# Altium PCB UmTRXv2.PcbDoc (part 12 of 25)
Units mm, origin at the board's own origin, x right, y up, seen from the top; angles counter-clockwise.
Board outline 159.5 x 99.5 mm, 6 copper layers (Top Layer, GND, MidLayer1, Mid-Layer 2, InternalPlane2, Bottom Layer), stack 1.526 mm thick; 708 components, 578 nets, 2802 pads, 1408 vias.
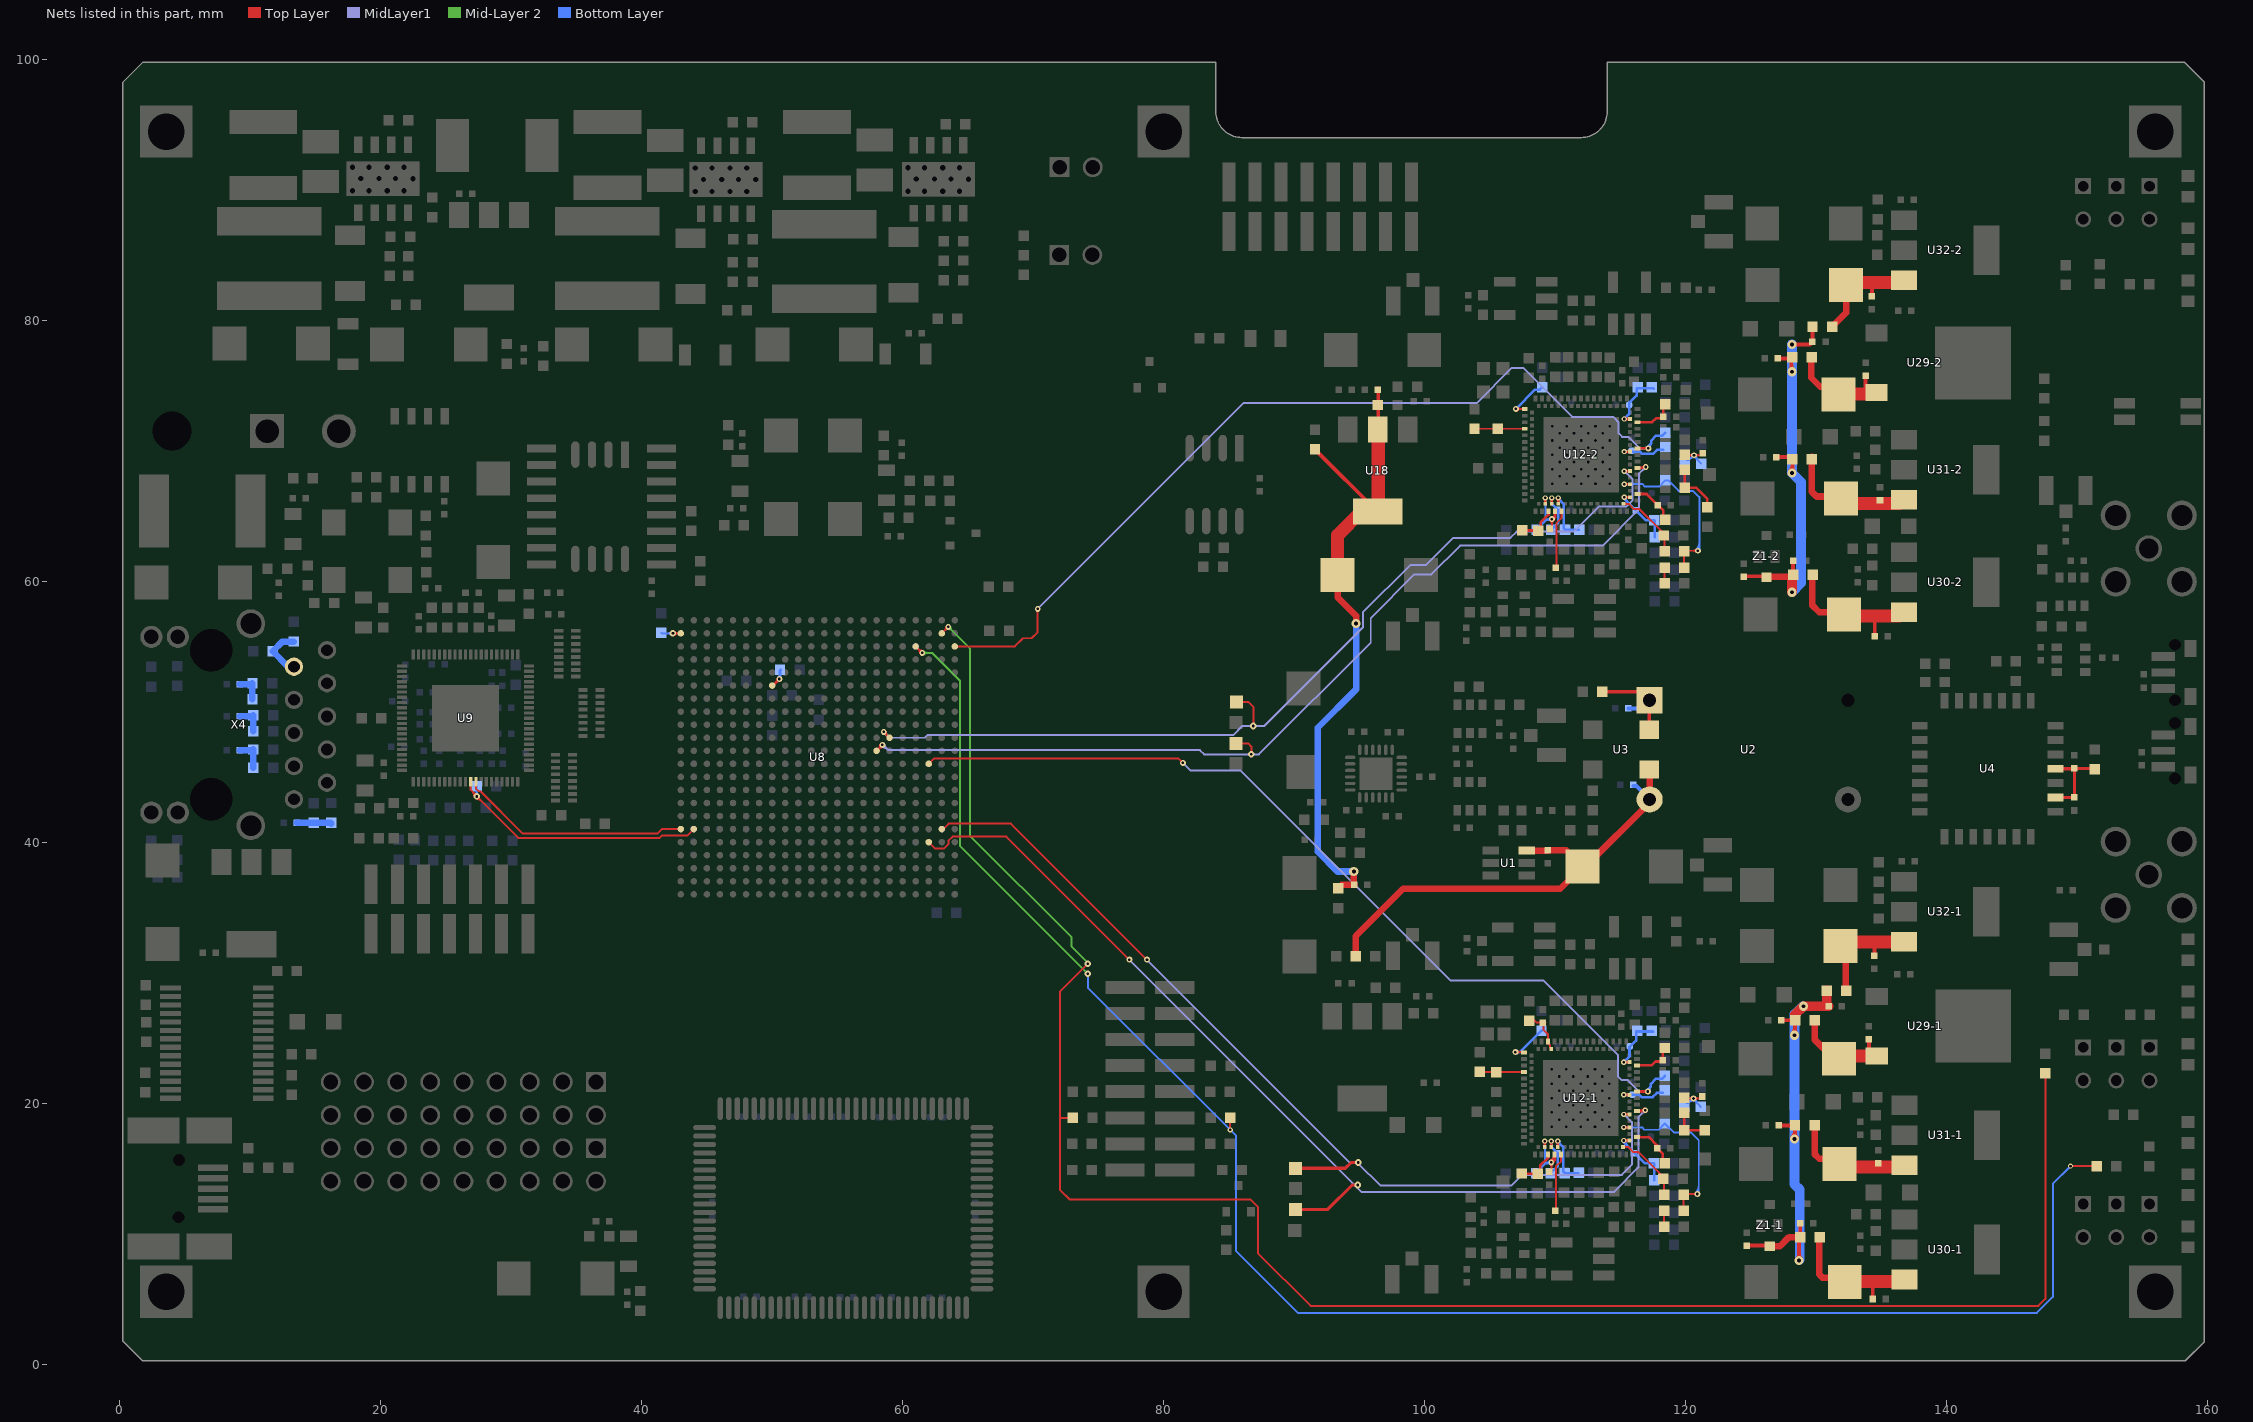
[diagram p16: the nets of this part, all layers, seen from the top]

## Via types
v1: diameter 0.5, hole 0.2, Top Layer to Bottom Layer, tented both sides, 441 vias
v2: diameter 0.45, hole 0.2, Top Layer to Bottom Layer, tented both sides, 429 vias
v3: diameter 0.7, hole 0.3, Top Layer to Bottom Layer, tented both sides, 258 vias
v4: diameter 0.4, hole 0.2, Top Layer to Bottom Layer, tented both sides, 197 vias
v5: diameter 0.8, hole 0.3, Top Layer to Bottom Layer, tented both sides, 61 vias
v6: diameter 0.6, hole 0.25, Top Layer to Bottom Layer, tented both sides, 16 vias
v7: diameter 0.6, hole 0.3, Top Layer to Bottom Layer, tented both sides, 4 vias
v8: diameter 1, hole 0.5, Top Layer to Bottom Layer, tented both sides, 2 vias

## Nets (pads, with @x,y where several pads share a name; then routed paths per layer and width w, separated by ;. In a path a pad name is that pad's centre, name@x,y a point inside that pad or via, vN(x,y) a via of type N, cw(c..) or ccw(c..) an arc to the next point about the centre after c; other vN are vias at no path point) (continued)
LEDS4: R37.2 R85.2 U8.Y4 | length 141.1
  Top Layer w0.15: U8.Y4@61,55 v2(61.5,54.5) ; 61.299,54.689 ccw(c61.553,54.757) v2(61.5,54.5) ; 61.311,54.701 cw(c61.243,54.447) v2(61.5,54.5) ; v2@61.325,54.5 ccw(c60.903,54.5) 61.201,54.799 ccw(c61.5,55.097) v2@61.5,54.675 ; v4(85.1,17.95) R85.2@85.1,18.875 ; v4(149.5,15.175) R37.2@151.5,15.175 ; 61.244,54.756 cw(c60.988,54.5) 61.35,54.5 ccw(c60.988,54.5) 61.244,54.756 ; 61.244,54.756 ccw(c61.5,55.012) 61.5,54.65 cw(c61.5,55.012) 61.244,54.756 ; v2(61.5,54.5) ccw(c61.17,54.409) 61.259,54.74 cw(c61.17,54.409) v2(61.5,54.5) ; v2(61.5,54.5) cw(c61.591,54.83) 61.26,54.741 ccw(c61.591,54.83) v2(61.5,54.5)
  Mid-Layer 2 w0.15: v2(61.5,54.5) 62.25,54.5 64.4,52.35 64.4,39.7 v1(74.2,29.9) ; v2@61.624,54.376 cw(c61.922,54.078) 61.922,54.5 cw(c61.922,54.922) v2@61.624,54.624 ; 61.862,54.5 cw(c61.862,54.862) 61.606,54.606 ccw(c61.862,54.862) 61.862,54.5 ; 61.862,54.5 ccw(c61.862,54.138) 61.606,54.394 cw(c61.862,54.138) 61.862,54.5
  Bottom Layer w0.15: v1(74.2,29.9) 74.2,28.85 v4(85.1,17.95) 85.55,17.5 85.55,8.655 90.28,3.925 146.93,3.925 148.15,5.145 148.15,13.825 v4(149.5,15.175)
LEDS5: R38.2 R86.2 U8.AA2 | length 156
  Top Layer w0.15: U8.AA2@63,56 63.4,56.4 63.4,56.45 63.45,56.5 v2(63.5,56.5) ; 63.299,56.311 cw(c63.553,56.243) v2(63.5,56.5) ; 63.311,56.299 ccw(c63.243,56.553) v2(63.5,56.5) ; v2@63.325,56.5 cw(c62.903,56.5) 63.201,56.201 cw(c63.5,55.903) v2@63.5,56.325 ; R86.2@73.05,18.875 72.05,18.875 ; v1(74.2,30.675) 72.05,28.525 72.05,18.875 ; R38.2@147.575,22.275 147.575,5 147.039,4.464 91.261,4.464 87.225,8.5 87.225,12.047 86.672,12.6 72.825,12.6 72.05,13.375 72.05,18.875 ; 63.244,56.244 cw(c63.5,55.988) 63.5,56.35 ccw(c63.5,55.988) 63.244,56.244 ; 63.244,56.244 ccw(c62.988,56.5) 63.35,56.5 cw(c62.988,56.5) 63.244,56.244 ; v2(63.5,56.5) ccw(c63.591,56.17) 63.26,56.259 cw(c63.591,56.17) v2(63.5,56.5) ; v2(63.5,56.5) cw(c63.17,56.591) 63.259,56.26 ccw(c63.17,56.591) v2(63.5,56.5)
  Mid-Layer 2 w0.15: v2@63.5,56.325 cw(c63.5,55.903) 63.799,56.201 cw(c64.097,56.5) v2@63.675,56.5 ; v1(74.2,30.675) 74.2,30.75 72.95,32 72.95,32.7 65.15,40.5 65.15,54.85 v2(63.5,56.5) ; v2(63.5,56.5) ccw(c63.83,56.591) 63.741,56.26 cw(c63.83,56.591) v2(63.5,56.5) ; v2(63.5,56.5) cw(c63.409,56.17) 63.74,56.259 ccw(c63.409,56.17) v2(63.5,56.5) ; 63.756,56.244 cw(c64.012,56.5) 63.65,56.5 ccw(c64.012,56.5) 63.756,56.244 ; 63.756,56.244 ccw(c63.5,55.988) 63.5,56.35 cw(c63.5,55.988) 63.756,56.244
LMS1_NRST: R95-1.1 U8.L3 U12-1.75 | length 74
  Top Layer w0.15: U8.L3@62,46 62.425,46.425 81.125,46.425 v2(81.475,46.075)
  Top Layer w0.2: U12-1.75@116.282,20.888 v2(117.107,20.888) ; 116.805,20.888 cw(c116.805,20.586) v2@117.019,20.8 ; 116.805,20.888 ccw(c116.805,21.19) v2@117.019,20.976 ; 116.805,20.888 ccw(c116.805,21.19) v2@117.019,20.976 ; 116.805,20.888 cw(c116.805,20.586) v2@117.019,20.8 ; 116.805,20.888 ccw(c116.805,21.19) v2@117.019,20.976 ; 116.805,20.888 cw(c116.805,20.586) v2@117.019,20.8
  MidLayer1 w0.15: v2(81.475,46.075) 82.075,45.475 85.9,45.475 101.975,29.4 109.1,29.4 114.832,23.668 114.832,22.033 115.102,21.763 115.582,21.763 116.457,20.888 v2(117.107,20.888) ; 116.745,20.888 cw(c116.745,20.526) v2@117.001,20.782 ; 116.745,20.888 ccw(c116.745,21.25) v2@117.001,20.994 ; 116.745,20.888 ccw(c116.745,21.25) v2@117.001,20.994 ; 116.745,20.888 cw(c116.745,20.526) v2@117.001,20.782 ; 116.745,20.888 ccw(c116.745,21.25) v2@117.001,20.994 ; 116.745,20.888 cw(c116.745,20.526) v2@117.001,20.782
  Bottom Layer w0.2: v2(117.107,20.888) 117.107,21.053 117.336,21.282 ; R95-1.1@118.407,22.088 118.177,21.858 117.711,21.858 117.336,21.483 117.336,21.282 ; v2@117.229,20.915 cw(c117.617,21.001) 117.336,21.282 ; v2@117.229,20.915 cw(c117.617,21.001) 117.336,21.282 ; v2@117.229,20.915 cw(c117.617,21.001) 117.336,21.282
LMS2_NRST: R95-2.1 U8.Y1 U12-2.75 | length 73.2
  Top Layer w0.15: U8.Y1@64,55 68.6,55 69.225,55.625 69.875,55.625 70.35,56.1 v2(70.35,57.875)
  Top Layer w0.2: U12-2.75@116.321,70.18 v2(117.146,70.18) ; 116.844,70.18 cw(c116.844,69.878) v2@117.058,70.091 ; 116.844,70.18 ccw(c116.844,70.482) v2@117.058,70.268 ; 116.844,70.18 ccw(c116.844,70.482) v2@117.058,70.268 ; 116.844,70.18 cw(c116.844,69.878) v2@117.058,70.091 ; 116.844,70.18 ccw(c116.844,70.482) v2@117.058,70.268 ; 116.844,70.18 cw(c116.844,69.878) v2@117.058,70.091
  MidLayer1 w0.15: v2(70.35,57.875) 86.117,73.642 103.987,73.642 106.695,76.35 107.55,76.35 111.313,72.587 114.443,72.587 114.871,72.159 114.871,71.325 115.141,71.055 115.621,71.055 116.496,70.18 v2(117.146,70.18) ; 116.784,70.18 cw(c116.784,69.818) v2@117.04,70.074 ; 116.784,70.18 ccw(c116.784,70.542) v2@117.04,70.286 ; 116.784,70.18 ccw(c116.784,70.542) v2@117.04,70.286 ; 116.784,70.18 cw(c116.784,69.818) v2@117.04,70.074 ; 116.784,70.18 ccw(c116.784,70.542) v2@117.04,70.286 ; 116.784,70.18 cw(c116.784,69.818) v2@117.04,70.074
  Bottom Layer w0.2: v2(117.146,70.18) 117.146,70.345 117.375,70.574 ; R95-2.1@118.446,71.38 118.216,71.15 117.75,71.15 117.375,70.775 117.375,70.574 ; v2@117.268,70.207 cw(c117.656,70.293) 117.375,70.574 ; v2@117.268,70.207 cw(c117.656,70.293) 117.375,70.574 ; v2@117.268,70.207 cw(c117.656,70.293) 117.375,70.574
M0: R31.1 U8.AA22 | length 5.5
  Top Layer w0.15: v1(42.4,56) U8.AA22@43,56 ; v1@42.524,55.876 cw(c42.822,55.578) U8.AA22@42.822,56 ; v1@42.524,55.876 cw(c42.822,55.578) U8.AA22@42.822,56 ; v1@42.524,55.876 cw(c42.822,55.578) U8.AA22@42.822,56 ; v1@42.524,56.124 ccw(c42.822,56.422) U8.AA22@42.822,56 ; v1@42.524,56.124 ccw(c42.822,56.422) U8.AA22@42.822,56 ; v1@42.524,56.124 ccw(c42.822,56.422) U8.AA22@42.822,56
  Bottom Layer w0.15: R31.1@41.5,56.05 41.55,56 v1(42.4,56) ; 41.978,56 cw(c41.978,55.578) v1@42.276,55.876 ; 41.978,56 ccw(c41.978,56.422) v1@42.276,56.124 ; 41.978,56 ccw(c41.978,56.422) v1@42.276,56.124 ; 41.978,56 cw(c41.978,55.578) v1@42.276,55.876 ; 41.978,56 ccw(c41.978,56.422) v1@42.276,56.124 ; 41.978,56 cw(c41.978,55.578) v1@42.276,55.876
M1: R32.1 U8.U15 | length 4.1
  Top Layer w0.2: U8.U15@50,52 50.05,52 v2(50.55,52.5) ; 50.337,52.287 cw(c50.55,52.073) v2@50.55,52.375 ; 50.337,52.287 ccw(c50.123,52.5) v2@50.425,52.5 ; 50.337,52.287 ccw(c50.123,52.5) v2@50.425,52.5 ; 50.337,52.287 cw(c50.55,52.073) v2@50.55,52.375 ; 50.337,52.287 ccw(c50.123,52.5) v2@50.425,52.5 ; 50.337,52.287 cw(c50.55,52.073) v2@50.55,52.375
  Bottom Layer w0.2: v2(50.55,52.5) 50.6,52.5 50.6,53.15 R32.1@50.65,53.2 ; v2@50.462,52.588 ccw(c50.128,52.922) R32.1@50.6,52.922 ; v2@50.462,52.588 ccw(c50.128,52.922) R32.1@50.6,52.922 ; v2@50.462,52.588 ccw(c50.128,52.922) R32.1@50.6,52.922
MDC: U8.F22 U9.55 | length 17.8
  Top Layer w0.15: U9.55@27.3,44.625 27.3,44.1 27.5,43.9 27.65,43.9 30.9,40.65 41.2,40.65 41.55,41 U8.F22@43,41
MDIO: R92.2 U8.F21 U9.54 | length 29.8
  Top Layer w0.15: U9.54@26.9,44.625 26.9,44 27.55,43.35 v1@27.5,43.35 ; v1@27.45,43.4 v1@27.5,43.35 ; U8.F21@44,41 43.5,40.5 41.55,40.5 41.375,40.325 30.525,40.325 v1@27.5,43.35 ; 27.016,43.884 cw(c26.632,43.5) v1@27.175,43.5 ; 27.016,43.884 cw(c26.632,43.5) v1@27.175,43.5 ; 27.016,43.884 cw(c26.632,43.5) v1@27.175,43.5 ; 27.096,43.794 ccw(c27.469,43.894) v1@27.357,43.524 ; 27.096,43.794 ccw(c27.469,43.894) v1@27.357,43.524 ; 27.096,43.794 ccw(c27.469,43.894) v1@27.357,43.524 ; 27.137,43.763 ccw(c27.35,43.977) v1@27.35,43.675 ; 27.137,43.763 ccw(c27.35,43.977) v1@27.35,43.675 ; 27.137,43.763 ccw(c27.35,43.977) v1@27.35,43.675 ; v1@27.345,43.476 cw(c27.28,43.156) 27.595,43.24 ; v1@27.345,43.476 cw(c27.28,43.156) 27.595,43.24 ; v1@27.345,43.476 cw(c27.28,43.156) 27.595,43.24 ; v1@27.35,43.325 cw(c27.35,42.903) 27.649,43.201 ; v1@27.35,43.325 cw(c27.35,42.903) 27.649,43.201 ; v1@27.35,43.325 cw(c27.35,42.903) 27.649,43.201 ; v1@27.374,43.505 ccw(c27.694,43.57) 27.61,43.255 ; v1@27.374,43.505 ccw(c27.694,43.57) 27.61,43.255 ; v1@27.374,43.505 ccw(c27.694,43.57) 27.61,43.255 ; v1@27.525,43.5 ccw(c27.947,43.5) 27.649,43.201 ; v1@27.525,43.5 ccw(c27.947,43.5) 27.649,43.201 ; v1@27.525,43.5 ccw(c27.947,43.5) 27.649,43.201
  Bottom Layer w0.15: v1(27.35,43.5) R92.2@27.35,44.287 ; v1@27.226,43.624 ccw(c26.928,43.922) R92.2@27.35,43.922 ; v1@27.226,43.624 ccw(c26.928,43.922) R92.2@27.35,43.922 ; v1@27.226,43.624 ccw(c26.928,43.922) R92.2@27.35,43.922 ; R92.2@27.35,43.922 ccw(c27.772,43.922) v1@27.474,43.624 ; R92.2@27.35,43.922 ccw(c27.772,43.922) v1@27.474,43.624 ; R92.2@27.35,43.922 ccw(c27.772,43.922) v1@27.474,43.624
MISO1: TST12.1 U8.F2 U12-1.68 | length 77.3
  Top Layer w0.15: U8.F2@63,41 63.1,41 63.525,41.425 68.3,41.425 v2(78.725,31)
  Top Layer w0.2: v4@115.282,19.138 U12-1.68@115.707,19.138 ; v4@115.328,19.067 cw(c115.498,18.897) 115.498,19.138 ; v4@115.328,19.067 cw(c115.498,18.897) 115.498,19.138 ; v4@115.328,19.067 cw(c115.498,18.897) 115.498,19.138 ; v4@115.328,19.209 ccw(c115.498,19.379) 115.498,19.138 ; v4@115.328,19.209 ccw(c115.498,19.379) 115.498,19.138 ; v4@115.328,19.209 ccw(c115.498,19.379) 115.498,19.138
  Top Layer w0.25: TST12.1@90.1,15 93.925,15 94.375,15.45 v1(94.925,15.45)
  MidLayer1 w0.15: v2(78.725,31) 94.316,15.409 94.884,15.409 96.625,13.675 106.655,13.675 107.488,14.508 115.112,14.508 115.882,15.278 115.882,18.543 115.287,19.138 v4(115.257,19.138) ; v4@115.257,19.013 cw(c115.257,18.638) 115.522,18.903 ; v4@115.257,19.013 cw(c115.257,18.638) 115.522,18.903 ; v4@115.257,19.013 cw(c115.257,18.638) 115.522,18.903 ; v4@115.382,19.138 ccw(c115.611,19.138) 115.449,18.976 ; v4@115.382,19.138 ccw(c115.611,19.138) 115.449,18.976 ; v4@115.382,19.138 ccw(c115.611,19.138) 115.449,18.976
MISO2: TST16.1 U8.N6 U12-2.68 | length 81.8
  Top Layer w0.15: v2@58.55,48.275 cw(c58.55,47.853) 58.849,48.151 cw(c59.147,48.45) v2@58.725,48.45 ; 58.739,48.249 cw(c58.807,48.503) v2(58.55,48.45) ; 58.751,48.261 ccw(c58.497,48.193) v2(58.55,48.45) ; U8.N6@59,48 v2(58.55,48.45) ; TST16.1@85.6,50.725 86.525,50.725 86.875,50.375 v1(86.875,48.9) ; v2(58.55,48.45) ccw(c58.88,48.541) 58.791,48.21 cw(c58.88,48.541) v2(58.55,48.45) ; v2(58.55,48.45) cw(c58.459,48.12) 58.79,48.209 ccw(c58.459,48.12) v2(58.55,48.45) ; 58.806,48.194 cw(c59.062,48.45) 58.7,48.45 ccw(c59.062,48.45) 58.806,48.194 ; 58.806,48.194 ccw(c58.55,47.938) 58.55,48.3 cw(c58.55,47.938) 58.806,48.194
  Top Layer w0.2: v4@115.321,68.43 U12-2.68@115.746,68.43 ; v4@115.367,68.359 cw(c115.537,68.188) 115.537,68.43 ; v4@115.367,68.359 cw(c115.537,68.188) 115.537,68.43 ; v4@115.367,68.359 cw(c115.537,68.188) 115.537,68.43 ; v4@115.367,68.501 ccw(c115.537,68.671) 115.537,68.43 ; v4@115.367,68.501 ccw(c115.537,68.671) 115.537,68.43 ; v4@115.367,68.501 ccw(c115.537,68.671) 115.537,68.43
  MidLayer1 w0.15: v2@58.55,48.275 cw(c58.55,47.853) 58.849,48.151 cw(c59.147,48.45) v2@58.725,48.45 ; v4(115.296,68.43) 115.326,68.43 115.921,67.835 115.921,66.171 115.467,65.717 113.342,65.717 111.423,63.798 107.821,63.798 107.819,63.8 107.281,63.8 107.279,63.798 107.048,63.798 106.575,63.325 102.2,63.325 100.1,61.225 98.9,61.225 95.275,57.6 95.275,56.45 87.725,48.9 v1(86.875,48.9) 86.025,48.9 85.325,48.2 61.886,48.2 61.686,48 59,48 v2(58.55,48.45) ; v2(58.55,48.45) ccw(c58.88,48.541) 58.791,48.21 cw(c58.88,48.541) v2(58.55,48.45) ; v2(58.55,48.45) cw(c58.459,48.12) 58.79,48.209 ccw(c58.459,48.12) v2(58.55,48.45) ; 58.806,48.194 cw(c59.062,48.45) 58.7,48.45 ccw(c59.062,48.45) 58.806,48.194 ; 58.806,48.194 ccw(c58.55,47.938) 58.55,48.3 cw(c58.55,47.938) 58.806,48.194 ; v4@115.296,68.305 cw(c115.296,67.93) 115.561,68.195 ; v4@115.296,68.305 cw(c115.296,67.93) 115.561,68.195 ; v4@115.296,68.305 cw(c115.296,67.93) 115.561,68.195 ; v4@115.421,68.43 ccw(c115.65,68.43) 115.488,68.268 ; v4@115.421,68.43 ccw(c115.65,68.43) 115.488,68.268 ; v4@115.421,68.43 ccw(c115.65,68.43) 115.488,68.268
MOSI1: TST11.1 U8.E3 U12-1.69 | length 81.1
  Top Layer w0.15: U8.E3@62,40 62.5,39.5 63.15,39.5 63.5,39.85 63.5,40.101 63.824,40.425 67.95,40.425 v2(77.375,31)
  Top Layer w0.2: U12-1.69@116.282,19.388 116.931,19.388 116.961,19.358 116.961,19.408 v2(116.911,19.458) ; U12-1.69@116.44,19.388 ccw(c116.44,19.929) v2@116.823,19.547 ; U12-1.69@116.44,19.388 ccw(c116.44,19.929) v2@116.823,19.547 ; U12-1.69@116.44,19.388 ccw(c116.44,19.929) v2@116.823,19.547
  Top Layer w0.25: TST11.1@90.1,11.85 92.575,11.85 94.45,13.725 v1(94.875,13.725)
  MidLayer1 w0.15: v2(77.375,31) 95.2,13.175 114.486,13.175 116.384,15.074 116.384,18.932 v2(116.911,19.458) ; 116.655,19.202 cw(c116.911,18.946) v2@116.911,19.308 ; 116.655,19.202 ccw(c116.399,19.458) v2@116.761,19.458 ; 116.655,19.202 ccw(c116.399,19.458) v2@116.761,19.458 ; 116.655,19.202 cw(c116.911,18.946) v2@116.911,19.308 ; 116.655,19.202 ccw(c116.399,19.458) v2@116.761,19.458 ; 116.655,19.202 cw(c116.911,18.946) v2@116.911,19.308
MOSI2: TST15.1 U8.M7 U12-2.69 | length 83.6
  Top Layer w0.15: U8.M7@58,47 v2(58.45,47.45) ; 58.249,47.261 cw(c58.503,47.193) v2(58.45,47.45) ; 58.261,47.249 ccw(c58.193,47.503) v2(58.45,47.45) ; v2@58.275,47.45 cw(c57.853,47.45) 58.151,47.151 cw(c58.45,46.853) v2@58.45,47.275 ; TST15.1@85.55,47.575 86.475,47.575 86.725,47.325 v1(86.725,46.725) ; 58.194,47.194 cw(c58.45,46.938) 58.45,47.3 ccw(c58.45,46.938) 58.194,47.194 ; 58.194,47.194 ccw(c57.938,47.45) 58.3,47.45 cw(c57.938,47.45) 58.194,47.194 ; v2(58.45,47.45) ccw(c58.541,47.12) 58.21,47.209 cw(c58.541,47.12) v2(58.45,47.45) ; v2(58.45,47.45) cw(c58.12,47.541) 58.209,47.21 ccw(c58.12,47.541) v2(58.45,47.45)
  Top Layer w0.2: U12-2.69@116.321,68.68 116.97,68.68 117,68.65 117,68.7 v2(116.95,68.75) ; U12-2.69@116.479,68.68 ccw(c116.479,69.221) v2@116.862,68.838 ; U12-2.69@116.479,68.68 ccw(c116.479,69.221) v2@116.862,68.838 ; U12-2.69@116.479,68.68 ccw(c116.479,69.221) v2@116.862,68.838
  MidLayer1 w0.15: v2@58.45,47.275 cw(c58.45,46.721) 58.842,47.113 ; v2@58.625,47.45 ccw(c58.916,47.45) 58.71,47.244 ; 58.671,47.241 cw(c58.754,47.55) v2(58.45,47.45) ; v2(116.95,68.75) 116.423,68.223 116.423,65.51 113.638,62.725 102.725,62.725 100.525,60.525 99.225,60.525 95.875,57.175 95.875,55.296 87.304,46.725 v1(86.725,46.725) 83.1,46.725 82.775,47.05 58.905,47.05 58.505,47.45 v2(58.45,47.45) ; v2(58.45,47.45) ccw(c58.832,47.596) 58.726,47.201 cw(c58.832,47.596) v2(58.45,47.45) ; 116.694,68.494 cw(c116.95,68.238) v2@116.95,68.6 ; 116.694,68.494 ccw(c116.438,68.75) v2@116.8,68.75 ; 116.694,68.494 ccw(c116.438,68.75) v2@116.8,68.75 ; 116.694,68.494 cw(c116.95,68.238) v2@116.95,68.6 ; 116.694,68.494 ccw(c116.438,68.75) v2@116.8,68.75 ; 116.694,68.494 cw(c116.95,68.238) v2@116.95,68.6 ; v2@58.45,47.3 cw(c58.45,46.806) 58.799,47.155 ccw(c58.45,46.806) v2@58.45,47.3 ; v2@58.6,47.45 ccw(c58.83,47.45) 58.667,47.287 cw(c58.83,47.45) v2@58.6,47.45
NetC4_1: C4.1 C139.1 C146.1 L1.1 R134.1 R158.2 U18.2 | length 52.1
  Top Layer w0.3: R158.2@91.6,70.1 96.375,65.325 U18.2@96.425,65.325 ; U18.2@96.45,71.658 C139.1@96.45,74.75
  Top Layer w0.5: C146.1@93.331,60.064 93.331,58.769 94.75,57.35 v3(94.75,56.75) ; L1.1@93.375,36.45 93.65,36.725 C4.1@94.6,36.725 94.575,36.75 v3(94.575,37.75) ; U18.2@96.427,71.635 96.45,71.658 U18.2@96.477,71.685
  Top Layer w1: C146.1@93.331,60.064 C146.1@93.331,60.464 93.331,63.528 95.129,65.325 U18.2@96.375,65.325 ; U18.2@96.45,65.177 U18.2@96.45,71.658
  Bottom Layer w0.5: v3(94.575,37.75) 93.325,37.75 91.808,39.267 91.808,48.758 94.75,51.7 v3(94.75,56.75)
NetC5_2: C5.2 R4.2 U2.1 U3.1 | length 8
  Top Layer w0.3: R4.2@113.625,51.525 116.6,51.525 U2.1@117.25,50.875 117.218,50.843 U3.1@117.218,48.623
  Bottom Layer w0.3: C5.2@115.625,50.25 116.625,50.25 U2.1@117.25,50.875
NetC8_1: C8.1 C9.1 C275.2 R2.2 R3.2 U1.3 U2.14 U3.4 | length 37.3
  Top Layer w0.5: R2.2@94.725,31.25 94.725,32.8 98.35,36.425 110.4,36.425 C9.1@112.1,38.125 ; U1.3@107.835,39.351 109.401,39.351 C275.2@109.425,39.375 110.85,39.375 C9.1@112.1,38.125 ; U3.4@117.218,45.575 117.25,45.543 U2.14@117.25,43.275 117.25,43.048 112.327,38.125 C9.1@112.1,38.125
  Bottom Layer w0.3: C8.1@116,44.3 116.225,44.3 U2.14@117.25,43.275
NetC10_1: C10.1 C11.1 L2.1 U4.2 U4.4 | length 6.7
  Top Layer w0.25: U4.2@148.35,43.425 C10.1@149.8,43.425 C11.1@149.8,45.65 ; U4.4@148.35,45.625 149.775,45.625 C11.1@149.8,45.65 ; L2.1@151.35,45.6 151.3,45.65 C11.1@149.8,45.65
NetC32_2: C32.2 L4.2 X4.2 | length 4
  Bottom Layer w0.5: L4.2@13.325,55.375 12.475,55.375 C32.2@11.725,54.625 12.905,53.445 X4.2@13.35,53.445
NetC33_1: C33.1 R45.1 R47.1 | length 2.7
  Bottom Layer w0.5: C33.1@13.575,41.475 R47.1@14.875,41.475 16.175,41.475 R45.1@16.225,41.425
NetC34_1: C34.1 R48.1 R49.1 | length 2.5
  Bottom Layer w0.5: C34.1@9.2,47.05 10.2,47.05 R48.1@10.25,47.1 R49.1@10.25,45.7
NetC35_1: C35.1 R50.1 R51.1 | length 2.3
  Bottom Layer w0.5: C35.1@9.2,49.65 10.175,49.65 R50.1@10.25,49.725 R51.1@10.25,48.5
NetC36_1: C36.1 R58.1 R59.1 | length 2.2
  Bottom Layer w0.5: C36.1@9.2,52.1 10.1,52.1 R58.1@10.175,52.175 R59.1@10.175,50.95
NetC45-1_2: C45-1.2 C146-1.1 L6-1.2 | length 2.9
  Top Layer w0.2: C146-1.1@119.9,19.25 119.9,17.919 C45-1.2@119.911,17.908 L6-1.2@121.461,17.908
NetC45-2_2: C45-2.2 C146-2.1 L6-2.2 | length 4.1
  Top Layer w0.2: C146-2.1@119.95,68.55 C45-2.2@119.95,67.15 120.825,67.15 121.65,66.325 L6-2.2@121.65,65.675
NetC46-1_1: C46-1.1 C47-1.1 C48-1.1 C49-1.1 C50-1.1 L7-1.1 L8-1.1 L9-1.1 L10-1.1 Z1-1.3 | length 54.4
  Top Layer w0.3: C46-1.1@124.89,9.081 126.39,9.081 Z1-1.3@126.44,9.031 ; C49-1.1@127.144,18.295 128.363,18.295 L9-1.1@128.384,18.316 128.384,17.284 v3(128.35,17.25) ; C47-1.1@127.346,26.353 128.38,26.353 L7-1.1@128.39,26.363 128.39,25.24 v3(128.35,25.2) ; v3(128.7,7.95) 128.7,9.641 L8-1.1@128.79,9.731 C48-1.1@128.79,10.781 ; v3@128.209,17.391 ccw(c127.784,17.816) 128.384,17.816 ; v3@128.209,17.391 ccw(c127.784,17.816) 128.384,17.816 ; v3@128.209,17.391 ccw(c127.784,17.816) 128.384,17.816 ; v3@128.209,25.341 ccw(c127.77,25.78) 128.39,25.78 ; v3@128.209,25.341 ccw(c127.77,25.78) 128.39,25.78 ; v3@128.209,25.341 ccw(c127.77,25.78) 128.39,25.78 ; 128.384,17.65 ccw(c128.75,17.65) v3@128.491,17.391 ; 128.384,17.65 ccw(c128.75,17.65) v3@128.491,17.391 ; 128.384,17.65 ccw(c128.75,17.65) v3@128.491,17.391 ; 128.39,25.586 ccw(c128.736,25.586) v3@128.491,25.341 ; 128.39,25.586 ccw(c128.736,25.586) v3@128.491,25.341 ; 128.39,25.586 ccw(c128.736,25.586) v3@128.491,25.341 ; v3@128.559,8.091 ccw(c128.217,8.433) 128.7,8.433 ; v3@128.559,8.091 ccw(c128.217,8.433) 128.7,8.433 ; v3@128.559,8.091 ccw(c128.217,8.433) 128.7,8.433 ; 128.7,8.433 ccw(c129.183,8.433) v3@128.841,8.091 ; 128.7,8.433 ccw(c129.183,8.433) v3@128.841,8.091 ; 128.7,8.433 ccw(c129.183,8.433) v3@128.841,8.091
  Top Layer w0.5: Z1-1.3@126.44,9.031 127.231,9.031 127.931,9.731 L8-1.1@128.79,9.731 ; L9-1.1@128.34,18.361 L9-1.1@128.384,18.316
  Top Layer w0.75: L7-1.1@128.39,26.363 128.39,26.79 v3(129.025,27.425) C50-1.1@130.963,27.425 ; L10-1.1@130.825,28.625 130.825,27.563 C50-1.1@130.963,27.425 ; C50-1.1@130.964,27.424 C50-1.1@130.963,27.425
  Bottom Layer w0.3: v3(128.7,7.95) v3@128.75,8 ; v3@128.209,17.109 cw(c127.867,16.767) 128.35,16.767 ; v3@128.209,17.109 cw(c127.867,16.767) 128.35,16.767 ; v3@128.209,17.109 cw(c127.867,16.767) 128.35,16.767 ; v3@128.209,17.391 ccw(c127.867,17.733) 128.35,17.733 ; v3@128.209,17.391 ccw(c127.867,17.733) 128.35,17.733 ; v3@128.209,17.391 ccw(c127.867,17.733) 128.35,17.733 ; v3@128.209,25.059 cw(c127.867,24.717) 128.35,24.717 ; v3@128.209,25.059 cw(c127.867,24.717) 128.35,24.717 ; v3@128.209,25.059 cw(c127.867,24.717) 128.35,24.717 ; v3@128.209,25.341 ccw(c127.867,25.683) 128.35,25.683 ; v3@128.209,25.341 ccw(c127.867,25.683) 128.35,25.683 ; v3@128.209,25.341 ccw(c127.867,25.683) 128.35,25.683 ; 128.35,16.767 cw(c128.833,16.767) v3@128.491,17.109 ; 128.35,16.767 cw(c128.833,16.767) v3@128.491,17.109 ; 128.35,16.767 cw(c128.833,16.767) v3@128.491,17.109 ; 128.35,17.733 ccw(c128.833,17.733) v3@128.491,17.391 ; 128.35,17.733 ccw(c128.833,17.733) v3@128.491,17.391 ; 128.35,17.733 ccw(c128.833,17.733) v3@128.491,17.391 ; 128.35,24.717 cw(c128.833,24.717) v3@128.491,25.059 ; 128.35,24.717 cw(c128.833,24.717) v3@128.491,25.059 ; 128.35,24.717 cw(c128.833,24.717) v3@128.491,25.059 ; 128.35,25.683 ccw(c128.833,25.683) v3@128.491,25.341 ; 128.35,25.683 ccw(c128.833,25.683) v3@128.491,25.341 ; 128.35,25.683 ccw(c128.833,25.683) v3@128.491,25.341 ; v3@128.559,8.091 ccw(c128.096,8.554) 128.75,8.554 ; v3@128.559,8.091 ccw(c128.096,8.554) 128.75,8.554 ; v3@128.559,8.091 ccw(c128.096,8.554) 128.75,8.554 ; 128.75,8.312 ccw(c129.062,8.312) v3@128.841,8.091 ; 128.75,8.312 ccw(c129.062,8.312) v3@128.841,8.091 ; 128.75,8.312 ccw(c129.062,8.312) v3@128.841,8.091